# KiCad board panelizado.kicad_pcb (continued)
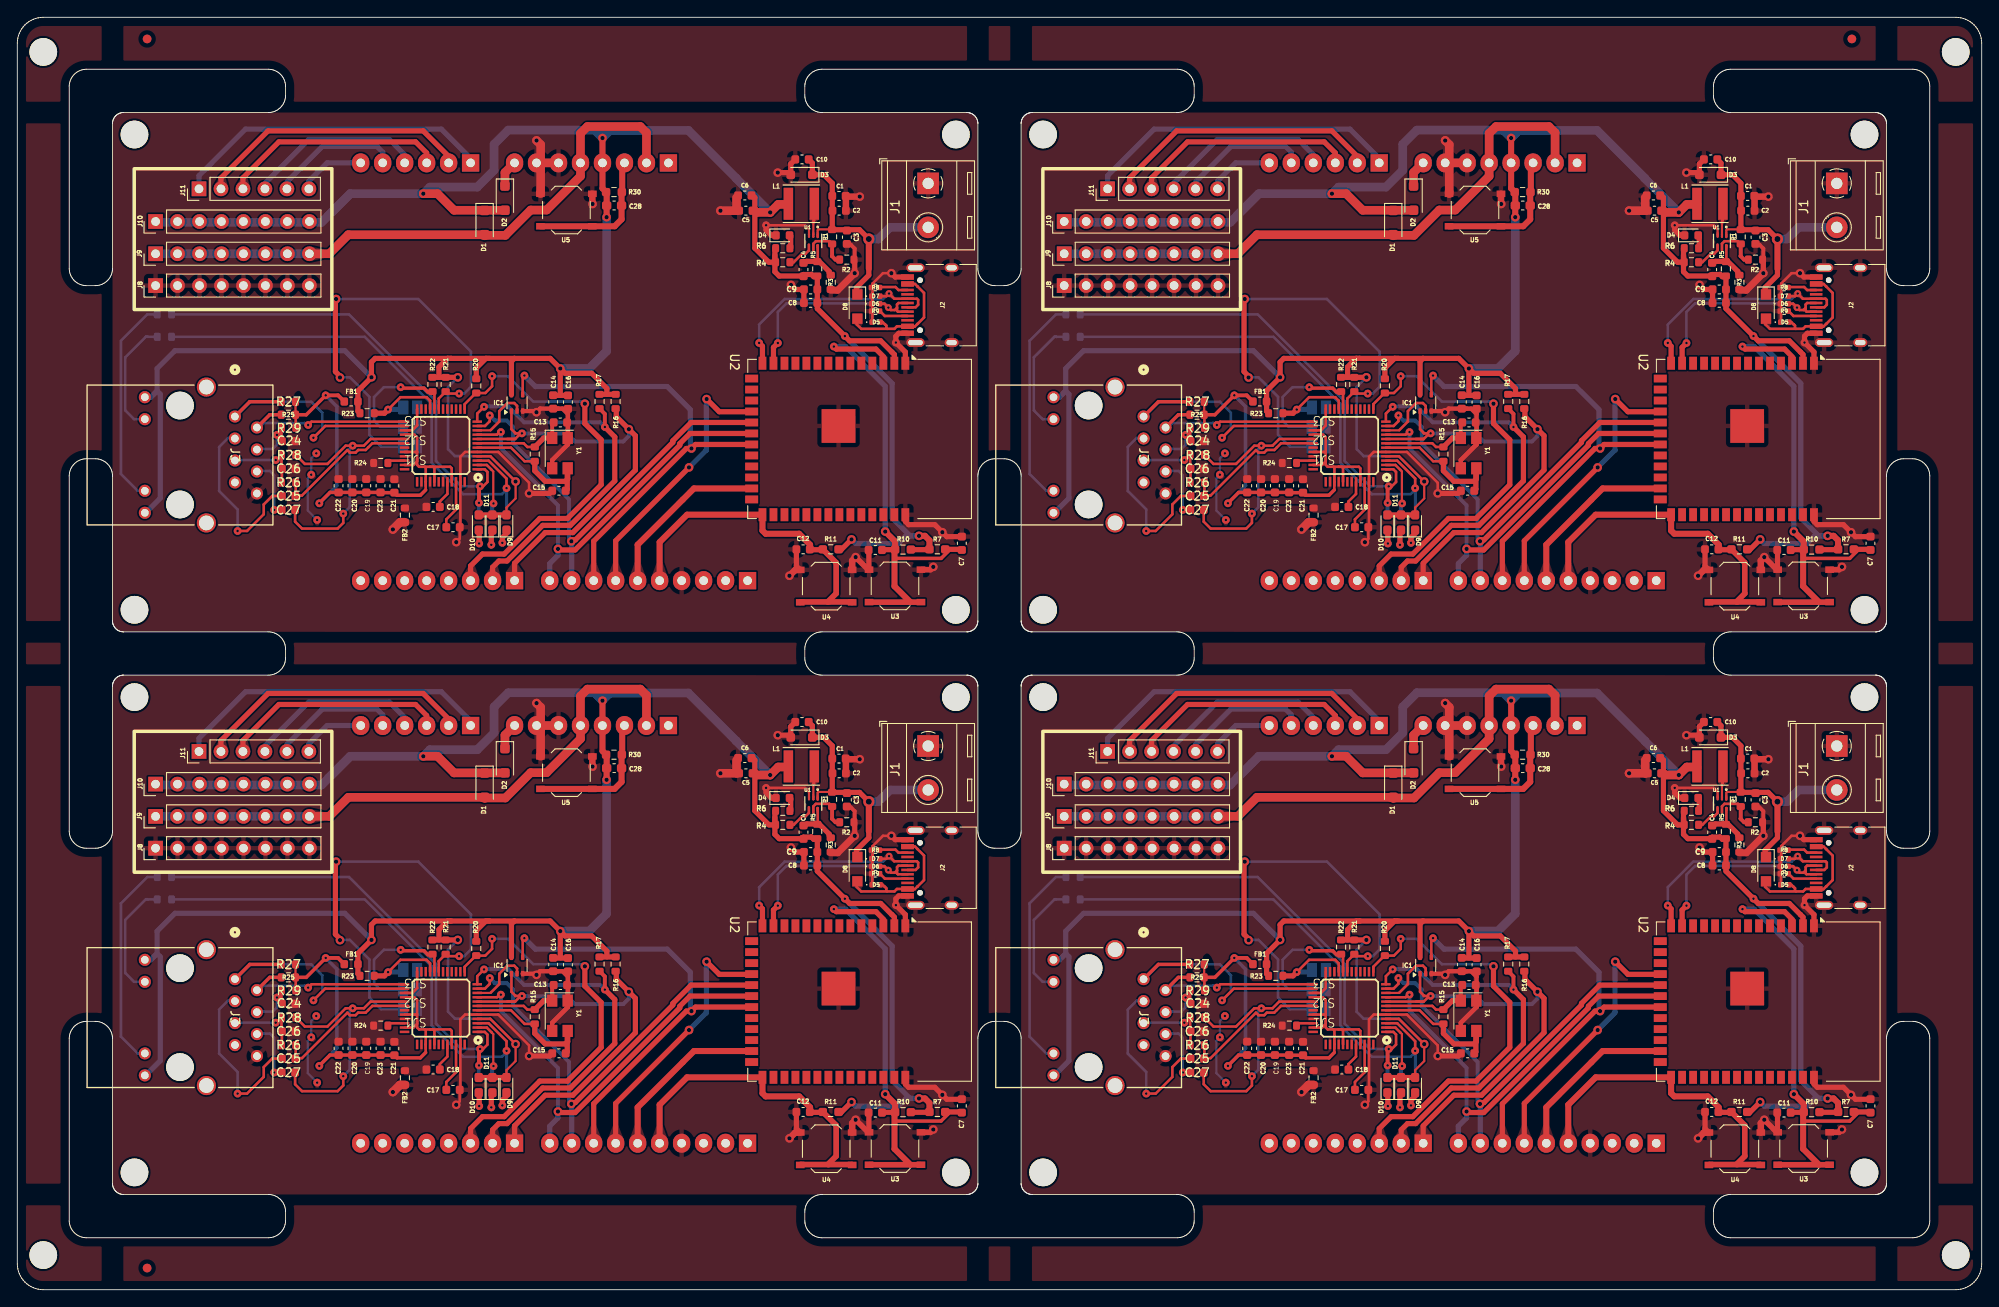
[diagram p0: board, top side]
## Routing (per net, layer and track width the routed paths; a pad name or vN(x,y) marks a point on that pad's centre or on a via; arc(x,y) is an arc through that point) (continued)
  Top w0.3: v2(86.53,122.97) 91,122.97 91.29,122.68 ; 98.8,114.25 98.8,115.16 98.83,115.19 98.83,116.24 100.03,117.44 v1(101,117.44) ; 59.34,91.8 v1(59.14,92) 59.14,93.23 55.58,96.78 U$1#2.29 51.75,96.78 51.2,96.23 U$1#2.23 51.2,88.16 C17.2 51.12,86.76 v1(50.72,86.36) ; 98.81,112.44 98.81,114.17 98.76,114.21 ; 98.8,112.35 98.8,111.79 98.79,111.78
  Top w0.45: 95.87,120.73 96.32,120.73 96.77,120.28 96.77,119
  Top w0.5: 61.8,95.83 63.63,97.66 ; 61.8,95.83 61.8,94.9 ; 61.8,95.83 63.63,97.66 63.63,101.17 ; 63.63,97.66 63.63,98.37 63.6,98.4 ; 63.63,97.66 63.63,100.16 63.59,100.2 ; 63.63,101.17 C16#3.2 ; 63.63,101.17 63,101.79 62.49,101.79 ; 60.41,101.79 60.13,101.51 IC1.3 ; 60.41,101.79 v1(59.99,101.37) ; 60.41,101.79 62.49,101.79 ; 62.49,101.79 C14.2
  Top w0.6: 98.4,83.2 98.4,85.51 ; v1(59.14,92) 61.51,92 C15.2 ; v1(89.4,116.08) 89.92,115.56 C9#2.2 C8.2 ; J2#4.A1 101.86,110.49 101.52,110.16 v2(101.52,109.42) 102.62,108.33 U2.1 ; U2.40 102.62,88.76 103,88.38 106.02,88.38 v1(106.9,87.51) 107.41,87 109.13,87 C7#4.2 ; C10.2 89.38,130.06 D3.2 89.13,129.06 v1(87.88,129.06) ; C12#4.2 90.03,83.61 90.43,83.21 ; J2#4.A12 101.45,116.99 v1(101,117.44) ; 87.58,121.78 87.64,121.78 D4#3.1 87.14,121.81 86.53,122.42 v2(86.53,122.97) ; v1(96.77,117.43) 96.77,119
  Top w0.65: 98.4,83.2 98.31,83.2 v1(96.88,84.63) ; U3#2.1 105.53,83.18 v1(105.85,83.51)
  Top w0.75: v1(97.35,126.28) 95.8,126.28 ; v1(66.48,125.43) 66.45,125.46 U5#4.2 ; U4#4.1 96.48,84.23 v1(96.88,84.63) ; C2#3.2 95.75,126.33 ; v1(89.23,82.48) 89.9,83.16 U4#4.1
  Top w0.8: v1(96.77,117.43) 94.81,115.47 94,115.47
  Top w1: v1(43.4,87.83) 44.22,88.66 FB2#2.1 ; v1(81.25,124.66) 83.15,124.66 83.11,124.7 83.11,126.16 ; 60.48,126.63 60.48,132.29 v1(60,132.77) ; J4.6 J4.7
  Top w1.2: 104.93,127.91 105.2,127.91
  Bottom w0.25: v2(34.65,88.93) 33.56,90.02 33.56,93.75 v2(33.97,94.16) 33.97,96.04 v2(34.55,96.62)
Board_0-Net-(D4-A): length 1.5
  Top w0.6: 89.37,120.32 89.37,121.75 89.33,121.78
Board_0-Net-(D5-A2): length 15.8
  Top w0.3: J2#4.A9 103.73,116.19 104.02,115.91 104.02,115.91 104.78,115.15 104.78,112.32 104.03,111.58 104.02,111.58 103.7,111.26 102.9,111.26 J2#4.A4 101.65,111.29 101.36,111.01 97.53,111.01 97,111.53 97,112.27 96.93,112.19 ; 99.76,111.78 100,111.78 100.25,111.53 100.28,111.53 100.43,111.38 100.43,111.11 100.53,111.01
Board_0-Net-(D9-K): length 1.7
  Top w0.25: 56.53,87.36 D9.1
  Top w0.6: 56.53,87.36 56.05,86.88 v2(56.05,86.28)
  Bottom w0.25: 56.05,86.36 v2(56.05,86.28)
Board_0-Net-(D10-K): length 1.8
  Top w0.25: 53.38,87.71 D10#2.1
  Top w0.6: 53.3,86.29 v2(53.38,86.21) 53.38,87.71
  Bottom w0.6: v2(53.38,86.21) 53.3,86.29
Board_0-Net-(D11-K): length 1.8
  Top w0.25: 54.78,87.63 D11#2.1
  Top w0.6: v2(54.78,86.06) 54.78,87.63
Board_0-Net-(J2-CC1): length 3.4
  Top w0.3: J2#4.A5 100.25,112.49 R9#3.1
Board_0-Net-(J2-CC2): length 3.3
  Top w0.3: J2#4.B5 101.83,115.49 101.48,115.84 99.76,115.84 99.73,115.81
Board_0-Net-(J3-RCT): length 8.8
  Top w0.3: v2(29.86,95.85) 29.92,95.85 R28#4.1 30.53,94.9 C26#4.1 30.58,93.3 R26#3.1
  Bottom w0.3: v2(29.86,95.85) 25.19,95.85
Board_0-Net-(J3-RD+): length 20.3
  Top w0.3: v2(25.46,87.66) 26.55,87.66 28.48,89.58 28.48,90.72 29.46,91.7 C25.1
  Bottom w0.3: 25.19,98.39 24.36,98.39 23.32,97.36 23.32,92.28 25.46,90.15 v2(25.46,87.66)
Board_0-Net-(J3-RD-): length 7
  Top w0.3: C27#3.1 30.54,90.09 v2(29.69,90.09)
  Bottom w0.3: 27.73,94.59 29.19,94.59 29.67,94.11 29.67,90.11 v2(29.69,90.09)
Board_0-Net-(J3-TCT): length 6.2
  Top w0.3: 30.53,99.53 30.53,98.03 30.58,97.98 30,98.55 v2(30,98.76)
  Bottom w0.3: v2(30,98.76) 30,97.61 29.52,97.13 27.73,97.13
Board_0-Net-(J11-Pin_1): length 37.1
  Bottom w0.45: J11#4.1 21,127.83
  Bottom w0.6: 21,127.83 21,128.7 26.38,134.08 49,134.08 52.38,130.7 J5#2.1
Board_0-Net-(J11-Pin_2): length 31.8
  Top w0.6: J5#2.2 49.84,130.94 46.9,133.88 28.98,133.88 23.54,128.44 J11#4.2
Board_0-Net-(J11-Pin_3): length 25.9
  Top w0.6: J5#2.3 47.3,131.33 46.03,132.61 30.23,132.61 26.08,128.46 J11#4.3
Board_0-Net-(J11-Pin_4): length 20.6
  Bottom w0.45: J11#4.4 28.62,127.82
  Bottom w0.6: J5#2.4 44.76,131.12 43,132.88 33.68,132.88 28.62,127.82
Board_0-Net-(J11-Pin_5): length 15.1
  Bottom w0.45: J11#4.5 31.16,127.99
  Bottom w0.6: J5#2.5 42.22,131.41 41.55,132.08 35.25,132.08 31.16,127.99
Board_0-Net-(J11-Pin_6): length 7.8
  Bottom w0.6: J5#2.6 35.8,130.18 33.7,128.08 J11#4.6
Board_0-Net-(SJ1-A): length 50.7
  Top w0.3: v2(51.05,103.53) 49.73,103.53 R21.2 48.7,102.96 U$1#2.43 ; v1(37.29,105.39) 37.36,105.46
  Top w0.6: 37.36,105.46 36.76,106.06 36.76,114.38 v1(36.84,114.45)
  Bottom w0.3: v2(51.05,103.53) 51.64,103.53 52.43,104.31 52.43,108.36 46.34,114.45 v1(36.84,114.45) ; SJ1#3.1 42.04,97.4 40.69,98.76 40.69,103.15 38.43,105.41 37.36,105.41 ; 44.58,97.61 44.8,97.82
Board_0-Net-(SJ2-A): length 15.9
  Top w0.3: 48.02,103.71 48.2,103.53 U$1#2.44
  Top w0.4: 48.02,103.71 47.45,103.71 47,104.16 44.4,104.16 v2(44.3,104.26)
  Bottom w0.3: v2(44.3,104.26) 42.36,104.26 41.22,103.12 41.22,100.38 41.92,99.68 SJ2.1
Board_0-Net-(SJ3-A): length 10.1
  Top w0.3: v2(42.85,101.68) 44.27,103.11 47.3,103.11 47.7,102.71 U$1#2.45
  Top w0.6: R23#3.2 42.42,101.26 v2(42.85,101.68)
  Bottom w0.6: v2(42.85,101.68) 42.87,101.71 44.62,101.71
Board_0-Net-(U1-EN): length 5.9
  Top w0.25: 94.28,120.66 94.35,120.72
  Top w0.3: 94.36,120.69 94.32,120.73 94.16,120.73 R1#3.1 93.84,121.13 92.28,121.13 91.99,120.84 91.99,120.08
  Top w0.45: 94.16,120.73 94.16,119.43 94.14,119.41 94.55,119 94.94,119
Board_0-Net-(U1-FB): length 5.4
  Top w0.3: U1.6 92.49,120.63 92.5,120.63 92.5,118.91 92.44,118.85
  Top w0.6: 91.18,118.75 91.24,118.81 92.39,118.81 92.44,118.85 92.6,118.85 93.82,117.64 93.82,117.47
Board_0-Net-(U1-PG): length 3.3
  Top w0.3: 91.47,120.74 91.47,120.07 91.11,119.7 90.72,119.7 89.72,118.7 89.37,118.7
Board_0-Net-(U1-SW): length 5.9
  Top w0.25: 91.99,123.41 92.1,123.52 L1#3.1 ; 91.99,123.41 U1.2 91.99,121.65 91.99,121.64 ; 91.99,123.41 91.99,125.27 92.1,125.38
Board_0-Net-(U$1-1V20): length 5.7
  Top w0.3: U$1#2.22 50.7,90.12 49.57,89 49.57,88.23 49.69,88.11
Board_0-Net-(U$1-EXRES1): length 2
  Top w0.3: U$1#2.10 43.1,95.78 R24.1
Board_0-Net-(U$1-TOCAP): length 3.3
  Top w0.3: C18.1 48.82,91.06 49.7,91.93 U$1#2.20
Board_0-Net-(U$1-XI/CLKIN): length 16.9
  Top w0.3: R15#4.2 58.62,95.71 57.05,97.28 U$1#2.30 ; 63.37,94.66 63.6,94.9
  Top w0.6: 63.37,94.66 63.55,94.48 63.55,92.49 C15.1 ; R15#4.2 59.8,94.61 61.01,93.39 63.34,93.39 63.6,93.66 63.6,94.9
Board_0-Net-(U$1-XO): length 11.3
  Top w0.3: R15#4.1 58.94,97.36 58.52,97.78 U$1#2.31
  Top w0.45: Y1.1 61.8,99.97 62.04,100.2
  Top w0.6: 61.68,98.46 61.76,98.37 ; Y1.1 60.83,98.4 R15#4.1
Board_0-unconnected-(J3-NC-Pad7): length 0.4
  Bottom w0.3: 24.92,92.98 25.17,93.23
Board_0-VBAT: length 32.5
  Top w0.25: 92.49,121.61 92.49,122.41 92.58,122.5 94.34,122.5 94.36,122.52 ; U1.1 92.49,121.73
  Top w0.6: 97,115.07 96.98,115.09 96.98,115.79 98.4,117.21 98.4,117.97 ; C10.1 91.88,130.16 D3.1 93.2,128.81 94.18,127.83 C1.1 ; 94.18,126.56 94.18,122.7 94.42,122.46 97.33,122.46 v4(98.4,121.38) 98.39,121.37 98.39,120.91
  Top w0.7: 98.4,117.97 v4(98.4,121.38)
  Bottom w1: v4(98.4,121.38) 99.51,121.38 100.86,122.73 J1#3.2
Board_0-VIN: length 3.1
  Top w1: D2#2.1 56.35,129.07 J4.8
Board_1-+3V3: length 343.1
  Top w0.25: D9#3.2 161.53,90.36 162.58,91.42 v1(162.58,93.37)
  Top w0.3: U$1.28 159.66,96.28 162.58,93.37 v1(162.58,93.37)
  Top w0.6: v1(201.4,86.68) 200.2,85.49 199.91,85.49 ; D10#4.2 D11#4.2 D9#3.2 ; 162.44,107.59 155.12,107.59 ; 162.44,107.59 166.58,107.59 v1(167.74,106.43) ; 162.44,107.59 162.1,107.26 IC1#4.5 ; 155.12,107.59 154.71,107.59 153.72,106.6 153.72,105.43 153.7,105.41 ; 155.12,107.59 146.35,107.59 145.92,107.17 v1(145.92,105.41) 144.36,103.85 144.36,101.5 R23#2.1 ; 208.19,85.49 210.36,85.49 R7#4.2 ; v1(155.9,105.41) R21#2.1 R22#3.1 ; 173.13,103.44 173.13,104.12 171.38,105.87 168.3,105.87 v1(167.74,106.43) ; R16#2.2 R17.2 ; R20#2.1 158.03,106.48 159.15,107.59 159.59,107.59 ; 190.05,126.37 190.22,126.19 190.22,120.34 191.85,118.7 192.54,118.7 192.54,119.53 ; C16#2.1 166.95,103.32 C14#4.1 ; v1(167.74,106.43) 167.74,103.34 ; R6#4.1 192.57,120.32 192.54,120.3 192.54,117.61 193.04,117.11 195.67,117.11 195.85,117.29 196.76,117.29 196.77,117.3 197.04,117.03 197.44,117.03 197.45,117.02 C8#2.1 197.45,113.35 v2(200.63,110.17) 201.17,109.62 204.77,109.62 206.07,108.32 206.07,108.32 206.35,108.05 U2#4.2 206.41,107.09 ; 173.1,126.76 173.08,126.78
  Top w0.7: C28#2.1 173.1,126.76 ; R7#4.2 210.4,86.58 209.89,87.09 v1(209.2,87.09) ; v1(173.1,123.91) 173.1,125.25 ; v1(172.62,133.05) J4#3.4 172.62,127.24 173.08,126.78
  Top w1: 194.1,125.38 192.92,125.38 v1(192,124.46) 190.42,124.46 190.22,124.66 ; 173.1,125.25 C28#2.1 ; v1(151.91,126.62) 153.55,126.62 155.47,124.71 D2#4.2
  Bottom w0.3: v1(155.9,105.41) 154.77,104.28 154.77,97.11 155.57,96.31 159.64,96.31 v1(162.58,93.37)
  Bottom w0.6: J3#2.9 120.42,103.11 121.15,103.84 ; 121.15,103.84 121.15,106.42 123.22,108.48 142.85,108.48 v1(145.92,105.41) ; 121.15,103.84 121.52,103.46 121.52,91.45 119.94,89.87 ; 121.15,103.84 120.75,103.44 ; v1(201.4,86.68) 201.87,86.21 206.8,86.21 207.68,87.09 v1(209.2,87.09) 208.16,87.09 206.09,89.16 206.09,104.7 v2(200.63,110.17)
  Bottom w1: 173.5,133.93 182.55,133.93 188.08,128.41 188.08,128.38 v1(192,124.46) ; 173.5,133.93 173.47,133.97 171.71,133.97 ; 173.5,133.93 v1(172.62,133.05) 171.71,133.97 ; 171.71,133.97 161.73,133.97 160.1,132.33 160.1,129.33 158.15,127.38 152.67,127.38 v1(151.91,126.62) 143.47,126.62 ; 140.98,124.13 143.47,126.62 ; 140.98,124.13 140.16,123.31 121.07,123.31 J10#4.1 ; 140.98,124.13 143.47,126.62 ; v1(167.74,106.43) 171.09,106.43 173.1,108.43 v1(173.1,123.91)
Board_1-+5V: length 69.5
  Top w1: J4#3.2 177.7,133.67 176.99,134.38 170.88,134.38 170.08,133.59 J4#3.5 170.08,128.65 166.17,124.73 164.32,124.73 161.4,121.81 159.05,121.81 159,121.76 ; J9#4.8 141.05,119.68 143.25,121.88 D1#3.2
  Bottom w1: J9#4.1 J9#4.2 J9#4.3 J9#4.4 J9#4.5 J9#4.6 J9#4.7 J9#4.8
Board_1-/Archi/CS1: length 31.1
  Top w0.6: J6#2.7 174.15,86.52 v1(182.62,95) ; U2#4.18 189.83,101.43 186.12,101.43 v1(184.65,102.9)
  Bottom w0.6: v1(184.65,102.9) 184.63,102.87 184.63,97 v1(182.62,95)
Board_1-/Archi/MISO: length 55.1
  Top w0.3: v2(163.6,105.61) 163.4,105.42 IC1#4.4
  Top w0.6: 171.6,81.93 J6#2.8 171.61,86.48 182.31,97.19 v1(182.9,97.19) 183.36,97.65 U2#4.21
  Bottom w0.6: J6#2.8 171.6,81.93 ; v2(163.6,105.61) 164.87,104.34 180.11,104.34 182.77,101.68 182.77,97.31 v1(182.9,97.19)
Board_1-/Archi/READY: length 20
  Top w0.7: J6#2.6 176.69,86.06 183.19,92.57 U2#4.25
Board_1-/Archi/RUN: length 16.4
  Top w0.6: 174.9,129.92 J4#3.3 ; 174.83,126.71 174.9,126.78
  Top w0.7: 174.9,126.78 174.9,129.92 ; U5#3.1 174.02,122.86 174.83,123.66 C28#2.2 174.83,126.71
Board_1-/Ethernet/ACTLED: length 59.3
  Top w0.25: 161.42,92.49 v2(161.53,92.6)
  Top w0.3: U$1.27 159.46,95.78 161.53,93.71 v2(161.53,92.6)
  Bottom w0.25: 161.47,92.54 v2(161.53,92.6) 161.55,92.58 ; R12#4.2 161.55,89.57
  Bottom w0.3: v2(161.53,92.6) 161.53,92.43 161.01,91.91 156.51,91.91 152.89,95.53 152.89,102.35 145.15,110.08 R18#4.2
  Bottom w0.35: 161.55,89.57 161.55,92.58
Board_1-/Ethernet/CS: length 52.1
  Top w0.3: IC1#4.1 162.1,99.41 162.54,98.98 162.54,98.96 162.56,98.93 v2(163.32,98.93) 163.17,98.93 162.52,98.28 ; 162.52,98.28 161.6,98.28 ; 162.52,98.28 U$1.32
  Top w0.6: R16#2.1 174.21,101.72 174.21,100.87 v1(175.67,99.42) 176.42,98.66 176.42,94.69 169.2,87.47 166,87.47 162.46,83.93 J7#2.1
  Bottom w0.45: v2(163.32,98.93) 163.34,98.91 168.52,98.91 169.44,97.99 175.03,97.99 175.67,98.64 v1(175.67,99.42)
Board_1-/Ethernet/DUPLED: length 6.8
  Top w0.25: 160,91.21 160,94.53 159.82,94.71 159.82,94.71
  Top w0.3: 159.82,94.71 159.25,95.28 U$1.26
  Bottom w0.25: 159.87,90.68 v2(160.02,90.83)
  Bottom w0.45: R14#2.2 159.87,90.68
Board_1-/Ethernet/GREENLED: length 24.8
  Bottom w0.3: J3#2.11 118.91,92.3 116.97,94.24 116.97,109.63 120.02,112.67 R19#4.1
  Bottom w0.6: J3#2.11 119.48,92.56
Board_1-/Ethernet/INTN: length 45.9
  Top w0.3: U$1.36 158.15,101.22 v2(158.93,102)
  Top w0.45: R17.1 172.89,101.18 v2(172.89,99.67)
  Top w0.6: J7#2.2 159.92,83.47 160.64,84.19 161.59,84.19 165.71,88.3 168.9,88.3 174.04,93.44 174.04,98.52 v2(172.89,99.67)
  Bottom w0.45: v2(172.89,99.67) 172.35,100.21 163.57,100.21 161.72,102.06 158.99,102.06 v2(158.93,102)
Board_1-/Ethernet/LINKLED: length 54.8
  Top w0.25: 158.35,92.68 v2(158.47,92.81)
  Top w0.3: v2(158.47,92.81) 158.82,92.81 159.32,93.31 159.32,94.47 159.01,94.78 U$1.25
  Top w0.45: v2(158.35,90.91) 158.35,92.68
  Bottom w0.25: 158.32,90.88 v2(158.35,90.91)
  Bottom w0.3: v2(158.47,92.81) 156.31,92.81 153.39,95.74 153.39,102.62 143.33,112.67 R19#4.2
  Bottom w0.45: R13#3.2 158.32,90.88
Board_1-/Ethernet/MISO: length 7.3
  Top w0.25: 159.72,99.33 159.67,99.28 U$1.34
  Top w0.3: IC1#4.2 162.75,102.11 162.42,102.43 161.62,102.43 160.69,101.5 160.69,100.3 159.72,99.33
Board_1-/Ethernet/MOSI: length 52.9
  Top w0.3: v2(159.59,101) 159.59,100.34 159.04,99.78 U$1.35
  Top w0.6: v1(169.02,86.47) 169.17,86.61 169.48,86.61 180.75,97.89 180.75,98.08 182.86,100.19 U2#4.19
  Bottom w0.25: 169.07,86.42 v1(169.02,86.47)
  Bottom w0.45: v1(169.02,86.47) 168.75,86.47 168.75,91.31 162.29,97.77 162.29,99.68 161.57,100.41 160.19,100.41 v2(159.59,101)
  Bottom w0.6: J6#2.9 169.07,86.42
Board_1-/Ethernet/RESET: length 49
  Top w0.3: U$1.37 156.7,102.31 157.99,103.59 159.08,103.59 159.86,104.38 v2(159.86,105.54)
  Top w0.6: v1(170.58,102.36) 170.58,100.07 172.47,98.19 172.47,93 168.57,89.1 165.38,89.1 161.26,84.99 158.75,84.99 157.38,83.62 J7#2.3 157.76,81.92
  Bottom w0.3: v2(159.86,105.54) 161.69,105.54 164.62,102.61 170.34,102.61 v1(170.58,102.36)
Board_1-/Ethernet/RX+: length 16.8
  Top w0.3: U$1.6 146.03,97.78 145.26,97.01 144.39,97.01 144.09,96.71 143.43,96.71 143.14,97 137.89,91.75 137.18,91.75 R26.2
Board_1-/Ethernet/RX-: length 31.1
  Top w0.3: C27#2.2 137.1,88.73 137.9,87.94 142.01,87.94 142.67,88.59 v2(142.67,89.66) ; U$1.5 145.82,98.28 145.05,97.51 v2(143.76,97.51) 142.94,97.51 140.84,95.4 138.22,95.4 R28#2.2
  Bottom w0.3: v2(142.67,89.66) 143.4,90.4 143.4,97.16 v2(143.76,97.51)
Board_1-/Ethernet/SCK: length 51.3
  Top w0.3: U$1.33 160.42,98.78 160.72,99.08 v2(160.88,99.08)
  Top w0.6: U2#4.20 182.73,98.92 181.55,97.75 181.55,97.56 169.46,85.46 167.59,85.46 v1(167.47,85.58) ; 166.47,81.97 J6#2.10
  Bottom w0.45: v1(167.47,85.58) 167.47,90.61 160.88,97.21 v2(160.88,99.08)
  Bottom w0.6: J6#2.10 166.53,83.89 167.47,84.84 v1(167.47,85.58)
Board_1-/Ethernet/TX+: length 32.2
  Top w0.3: U$1.2 140.58,99.78 v2(139.22,98.43) ; 135.34,102.58 135.5,102.42 135.5,102.6
  Top w0.4: J3#2.1 131.85,102.58 R27#4.1
  Bottom w0.3: v2(139.22,98.43) 140.24,99.45 140.24,101.32 138.97,102.58 131.97,102.58 130.27,100.88 J3#2.1
Board_1-/Ethernet/TX-: length 21.6
  Top w0.3: U$1.1 139,100.28 v2(138.61,99.9) ; J3#2.2 132.97,99.89 ; 135.52,101.08 135.53,101.08
  Top w0.4: J3#2.2 134.16,101.08 R25#2.1
  Bottom w0.254: 132.74,99.61 132.71,99.58
  Bottom w0.3: 132.73,99.67 132.95,99.9 ; 133,99.66 133.47,100.13 138.2,100.13 138.67,99.66
Board_1-/Ethernet/YELLOWLED: length 13.5
  Bottom w0.3: R18#4.1 120.07,110.08 120.04,110.11 119.87,110.11 117.47,107.71 117.47,101.59 118.49,100.57 J3#2.10
Board_1-/MCU-WiFi/CHIP_PU: length 57.8
  Top w0.25: R10#3.1 206.37,85.44 206.37,84.53 206.42,84.48
  Top w0.4: 212.77,85.53 212.77,85.51 211.75,84.48 206.42,84.48
  Top w0.6: 212.14,85.53 R7#4.1 214.07,85.53 C7#3.1 ; v2(199.35,108.96) 199.64,108.67 204.22,108.67 205.14,107.75 ; 204.85,85.49 206.42,85.49 R10#3.1
  Top w0.65: U3#3.2 U3#3.2
  Top w0.7: R10#3.1 206.44,86.45 v1(205.29,87.59) ; 208.2,79.43 206.37,81.27 206.37,85.49
  Bottom w0.6: v2(199.35,108.96) 200.7,108.96 205.29,104.37 v1(205.29,87.59)
Board_1-/MCU-WiFi/D+: length 28.1
  Top w0.3: J2#2.A6 208.81,113.49 209.1,113.79 209.1,114.34 208.95,114.49 J2#2.B6 206.33,114.49 v3(205.74,115.09) 205.43,114.78 204.52,114.78
  Top w0.6: v2(190.72,109.38) 191.11,109 U2#4.14
  Bottom w0.3: 205.71,115.11 205.05,114.45 193.68,114.45 190.72,111.5 v2(190.72,109.38)
  Bottom w0.6: v3(205.74,115.09) 205.71,115.11
Board_1-/MCU-WiFi/D-: length 25.2
  Top w0.3: J2#2.B7 206.76,112.99 206.66,113.09 206.66,113.44 ; J2#2.A7 206.83,113.99 206.66,113.82 206.66,113.44 ; 206.66,113.44 206.4,113.18 205.94,113.18 v3(205.66,113.46) 205.22,113.9 D6#2.2
  Top w0.6: v2(192.89,109.37) 192.38,108.86 U2#4.13
  Bottom w0.3: v3(205.66,113.46) 205.17,113.95 193.88,113.95 192.89,112.95 v2(192.89,109.37)
Board_1-/MCU-WiFi/GPIO0: length 41
  Top w0.25: 198.65,79.46 198.77,79.46
  Top w0.6: 198.08,85.49 196.61,85.49
  Top w0.65: R11#4.1 199.62,83.99 199.62,80.43 198.65,79.46 ; U4#3.2 195.52,79.46 201.42,79.46 U4#3.2
  Top w0.7: J6#2.5 179.23,86.36 182.4,89.53 U2#4.27 191.11,87.7 191.47,87.33 195.35,87.33 196.61,86.07 196.61,85.49
Board_1-AGND: length 3.6
  Top w0.3: U$1.48 151.2,99.84 150.64,99.28 U$1.3
Board_1-AVDD: length 55.8
  Top w0.25: 138.38,101.08 138.38,101.08 ; R25#2.2 R27#4.2
  Top w0.3: 151.2,96.77 151.2,98.46 150.88,98.78 U$1.4 ; 151.2,96.77 151.2,96 ; 151.2,96.77 151.02,96.77 151.01,96.78 U$1.8 ; 137.18,99.53 137.18,101.08 ; 151.2,96 151.2,95.3 151.42,95.07 152.1,95.07 ; 151.2,96 151.2,95.71 150.77,95.28 U$1.11 ; 152.1,95.07 152.67,95.07 ; 152.1,95.07 152.2,94.97 U$1.15 152.19,93.33 152.19,92.4 ; 152.67,95.07 153.05,95.07 153.2,94.92 U$1.17 ; 152.67,95.07 155.02,95.07 155.2,94.9 U$1.21 ; 147,92.08 C23#4.1 ; 137.18,102.58 137.15,102.6
  Top w0.4: v2(139.9,90.86) 139.9,90.87 141.13,92.11 C22#2.1 C20#4.1 C19#3.1 C23#4.1 ; 138.38,101.08 R25#2.2 ; 147,92.08 C21.1 148.87,91.78 151.57,91.78 152.19,92.4 ; v2(140.64,103.33) 138.38,101.08
  Top w0.45: FB1#2.2 142.07,103.33 v2(140.64,103.33)
  Bottom w0.4: v2(139.9,90.86) 141.93,92.89 141.93,102.03 v2(140.64,103.33)
Board_1-GND: length 128.1
  Top w0.25: 168.6,101.79 C16#2.2 ; U3#3.1 203.4,83.2 ; 196.49,121.63 U1#3.3 196.48,121.91 196.48,122.48 196.29,122.68 ; 168.6,100.19 168.59,100.2 168.63,100.24 ; 200.8,126.28 C1#4.2 200.75,126.33
  Top w0.3: v1(155.72,86.36) 156.12,86.76 C17#3.2 156.2,88.16 U$1.23 156.2,96.23 156.75,96.78 U$1.29 160.58,96.78 164.14,93.23 v1(164.14,92) 164.34,91.8 ; v2(191.52,122.97) 196,122.97 196.29,122.68 ; 203.79,111.78 203.8,111.79 203.8,112.35 ; 203.81,112.44 203.81,114.17 203.76,114.21 ; v1(206,117.44) 205.03,117.44 203.83,116.24 203.83,115.19 203.8,115.16 203.8,114.25
  Top w0.45: 200.87,120.73 201.32,120.73 201.77,120.28 201.77,119
  Top w0.5: 168.63,101.17 168,101.79 167.49,101.79 ; 168.63,101.17 168.63,97.66 166.8,95.83 ; 168.63,101.17 C16#2.2 ; 168.63,97.66 168.63,98.37 168.6,98.4 ; 168.63,97.66 168.63,100.16 168.59,100.2 ; 168.63,97.66 166.8,95.83 ; 166.8,94.9 166.8,95.83 ; 167.49,101.79 C14#4.2 ; 167.49,101.79 165.41,101.79 ; 165.41,101.79 165.13,101.51 IC1#4.3 ; 165.41,101.79 v1(164.99,101.37)
  Top w0.6: 192.58,121.78 192.64,121.78 D4#2.1 192.14,121.81 191.52,122.42 v2(191.52,122.97) ; v1(206,117.44) 206.45,116.99 J2#2.A12 ; U2#4.40 207.62,88.76 208,88.38 211.02,88.38 v1(211.9,87.51) 212.41,87 214.13,87 C7#3.2 ; U2#4.1 207.62,108.33 v2(206.52,109.42) 206.52,110.16 206.86,110.49 J2#2.A1 ; 195.42,83.21 195.03,83.61 C12.2 ; v1(201.77,117.43) 201.77,119 ; C10#2.2 194.37,130.06 D3#3.2 194.12,129.06 v1(192.87,129.06) ; v1(194.4,116.08) 194.92,115.56 C9#3.2 C8#2.2 ; 203.4,83.2 203.4,85.51 ; v1(164.14,92) 166.51,92 C15#2.2
  Top w0.65: 203.4,83.2 203.3,83.2 v1(201.87,84.63) ; U3#3.1 210.52,83.18 v1(210.85,83.51)
  Top w0.75: v1(194.22,82.48) 194.9,83.16 U4#3.1 ; v1(171.47,125.43) 171.45,125.46 U5#3.2 ; C2.2 200.75,126.33 ; v1(202.35,126.28) 200.8,126.28 ; U4#3.1 201.47,84.23 v1(201.87,84.63)
  Top w0.8: 199,115.47 199.8,115.47 v1(201.77,117.43)
  Top w1: J4#3.6 J4#3.7 ; 165.47,126.63 165.47,132.29 v1(165,132.77) ; v1(148.4,87.83) 149.22,88.66 FB2.1 ; v1(186.25,124.66) 188.15,124.66 188.11,124.7 188.11,126.16
  Top w1.2: 209.93,127.91 210.2,127.91
  Bottom w0.25: v2(139.55,96.62) 138.97,96.04 v2(138.97,94.16) 138.56,93.75 138.56,90.02 v2(139.65,88.93)
Board_1-Net-(D4-A): length 1.5
  Top w0.6: 194.33,121.78 194.37,121.75 194.37,120.32
Board_1-Net-(D5-A2): length 15.8
  Top w0.3: J2#2.A9 208.73,116.19 209.02,115.91 209.02,115.91 209.78,115.15 209.78,112.32 209.03,111.58 209.02,111.58 208.7,111.26 207.9,111.26 J2#2.A4 206.64,111.29 206.36,111.01 202.52,111.01 202,111.53 202,112.27 201.93,112.19 ; 204.76,111.78 205,111.78 205.25,111.53 205.27,111.53 205.42,111.38 205.42,111.11 205.52,111.01
Board_1-Net-(D9-K): length 1.7
  Top w0.25: 161.53,87.36 D9#3.1
  Top w0.6: v2(161.05,86.28) 161.05,86.88 161.53,87.36
  Bottom w0.25: 161.05,86.36 v2(161.05,86.28)
Board_1-Net-(D10-K): length 1.8
  Top w0.25: 158.37,87.71 D10#4.1
  Top w0.6: 158.3,86.29 v2(158.37,86.21) 158.37,87.71
  Bottom w0.6: v2(158.37,86.21) 158.3,86.29
Board_1-Net-(D11-K): length 1.8
  Top w0.25: 159.77,87.63 D11#4.1
  Top w0.6: v2(159.77,86.06) 159.77,87.63
Board_1-Net-(J2-CC1): length 3.4
  Top w0.3: R9#2.1 205.25,112.49 J2#2.A5
Board_1-Net-(J2-CC2): length 3.3
  Top w0.3: 204.73,115.81 204.76,115.84 206.48,115.84 206.83,115.49 J2#2.B5
Board_1-Net-(J3-RCT): length 8.8
  Top w0.3: v2(134.86,95.85) 134.92,95.85 R28#2.1 135.53,94.9 C26.1 135.58,93.3 R26.1
  Bottom w0.3: v2(134.86,95.85) 130.19,95.85
Board_1-Net-(J3-RD+): length 20.3
  Top w0.3: v2(130.46,87.66) 131.55,87.66 133.47,89.58 133.47,90.72 134.46,91.7 C25#2.1
  Bottom w0.3: 130.19,98.39 129.36,98.39 128.32,97.36 128.32,92.28 130.46,90.15 v2(130.46,87.66)
Board_1-Net-(J3-RD-): length 7
  Top w0.3: v2(134.69,90.09) 135.54,90.09 C27#2.1
  Bottom w0.3: 132.73,94.59 134.19,94.59 134.67,94.11 134.67,90.11 v2(134.69,90.09)
Board_1-Net-(J3-TCT): length 6.2
  Top w0.3: v2(135,98.76) 135,98.55 135.58,97.98 135.53,98.03 135.53,99.53
  Bottom w0.3: v2(135,98.76) 135,97.61 134.52,97.13 132.73,97.13
Board_1-Net-(J11-Pin_1): length 37.1
  Bottom w0.45: J11.1 125.99,127.83
  Bottom w0.6: J5#3.1 157.38,130.7 154,134.08 131.37,134.08 125.99,128.7 125.99,127.83
Board_1-Net-(J11-Pin_2): length 31.8
  Top w0.6: J5#3.2 154.84,130.94 151.9,133.88 133.97,133.88 128.53,128.44 J11.2
Board_1-Net-(J11-Pin_3): length 25.9
  Top w0.6: J11.3 131.07,128.46 135.22,132.61 151.02,132.61 152.3,131.33 J5#3.3
Board_1-Net-(J11-Pin_4): length 20.6
  Bottom w0.45: J11.4 133.61,127.82
  Bottom w0.6: J5#3.4 149.76,131.12 148,132.88 138.67,132.88 133.61,127.82
Board_1-Net-(J11-Pin_5): length 15.1
  Bottom w0.45: J11.5 136.15,127.99
  Bottom w0.6: J5#3.5 147.22,131.41 146.55,132.08 140.25,132.08 136.15,127.99
Board_1-Net-(J11-Pin_6): length 7.8
  Bottom w0.6: J5#3.6 140.8,130.18 138.69,128.08 J11.6
Board_1-Net-(SJ1-A): length 50.7
  Top w0.3: v1(142.29,105.39) 142.36,105.46 ; v2(156.05,103.53) 154.73,103.53 R21#2.2 153.7,102.96 U$1.43
  Top w0.6: v1(141.84,114.45) 141.76,114.38 141.76,106.06 142.36,105.46
  Bottom w0.3: SJ1#2.1 147.04,97.4 145.69,98.76 145.69,103.15 143.43,105.41 142.36,105.41 ; v1(141.84,114.45) 151.34,114.45 157.42,108.36 157.42,104.31 156.64,103.53 v2(156.05,103.53) ; 149.58,97.61 149.8,97.82
Board_1-Net-(SJ2-A): length 15.9
  Top w0.3: U$1.44 153.2,103.53 153.02,103.71
  Top w0.4: v2(149.3,104.26) 149.4,104.16 152,104.16 152.45,103.71 153.02,103.71
  Bottom w0.3: SJ2#4.1 146.92,99.68 146.22,100.38 146.22,103.12 147.36,104.26 v2(149.3,104.26)
Board_1-Net-(SJ3-A): length 10.1
  Top w0.3: U$1.45 152.7,102.71 152.3,103.11 149.27,103.11 v2(147.85,101.68)
  Top w0.6: R23#2.2 147.42,101.26 v2(147.85,101.68)
  Bottom w0.6: v2(147.85,101.68) 147.87,101.71 149.62,101.71
Board_1-Net-(U1-EN): length 5.9
  Top w0.25: 199.28,120.66 199.35,120.72
  Top w0.3: 199.36,120.69 199.32,120.73 199.15,120.73 R1#2.1 198.84,121.13 197.28,121.13 196.99,120.84 196.99,120.08
  Top w0.45: 199.15,120.73 199.15,119.43 199.13,119.41 199.54,119 199.94,119
Board_1-Net-(U1-FB): length 5.4
  Top w0.3: 197.44,118.85 197.49,118.91 197.49,120.63 197.49,120.63 U1#3.6
  Top w0.6: 198.82,117.47 198.82,117.64 197.6,118.85 197.44,118.85 197.39,118.81 196.24,118.81 196.18,118.75
Board_1-Net-(U1-PG): length 3.3
  Top w0.3: 196.47,120.74 196.47,120.07 196.1,119.7 195.71,119.7 194.71,118.7 194.37,118.7
Board_1-Net-(U1-SW): length 5.9
  Top w0.25: 197.1,125.38 196.99,125.27 196.99,123.41 ; L1#4.1 197.1,123.52 196.99,123.41 ; 196.99,123.41 U1#3.2 196.99,121.65 196.98,121.64
Board_1-Net-(U$1-1V20): length 5.7
  Top w0.3: 154.69,88.11 154.57,88.23 154.57,89 155.7,90.12 U$1.22
Board_1-Net-(U$1-EXRES1): length 2
  Top w0.3: R24#2.1 148.1,95.78 U$1.10
Board_1-Net-(U$1-TOCAP): length 3.3
  Top w0.3: C18#3.1 153.82,91.06 154.7,91.93 U$1.20
Board_1-Net-(U$1-XI/CLKIN): length 16.9
  Top w0.3: U$1.30 162.04,97.28 163.62,95.71 R15.2 ; 168.37,94.66 168.6,94.9
  Top w0.6: R15.2 164.79,94.61 166.01,93.39 168.33,93.39 168.6,93.66 168.6,94.9 ; 168.37,94.66 168.55,94.48 168.55,92.49 C15#2.1
Board_1-Net-(U$1-XO): length 11.3
  Top w0.3: U$1.31 163.51,97.78 163.94,97.36 R15.1
  Top w0.45: 167.04,100.2 166.8,99.97 Y1#3.1
  Top w0.6: R15.1 165.83,98.4 Y1#3.1 ; 166.68,98.46 166.76,98.37
